# Altium PCB DRS4-PCB.PcbDoc (part 1 of 15) (continued)
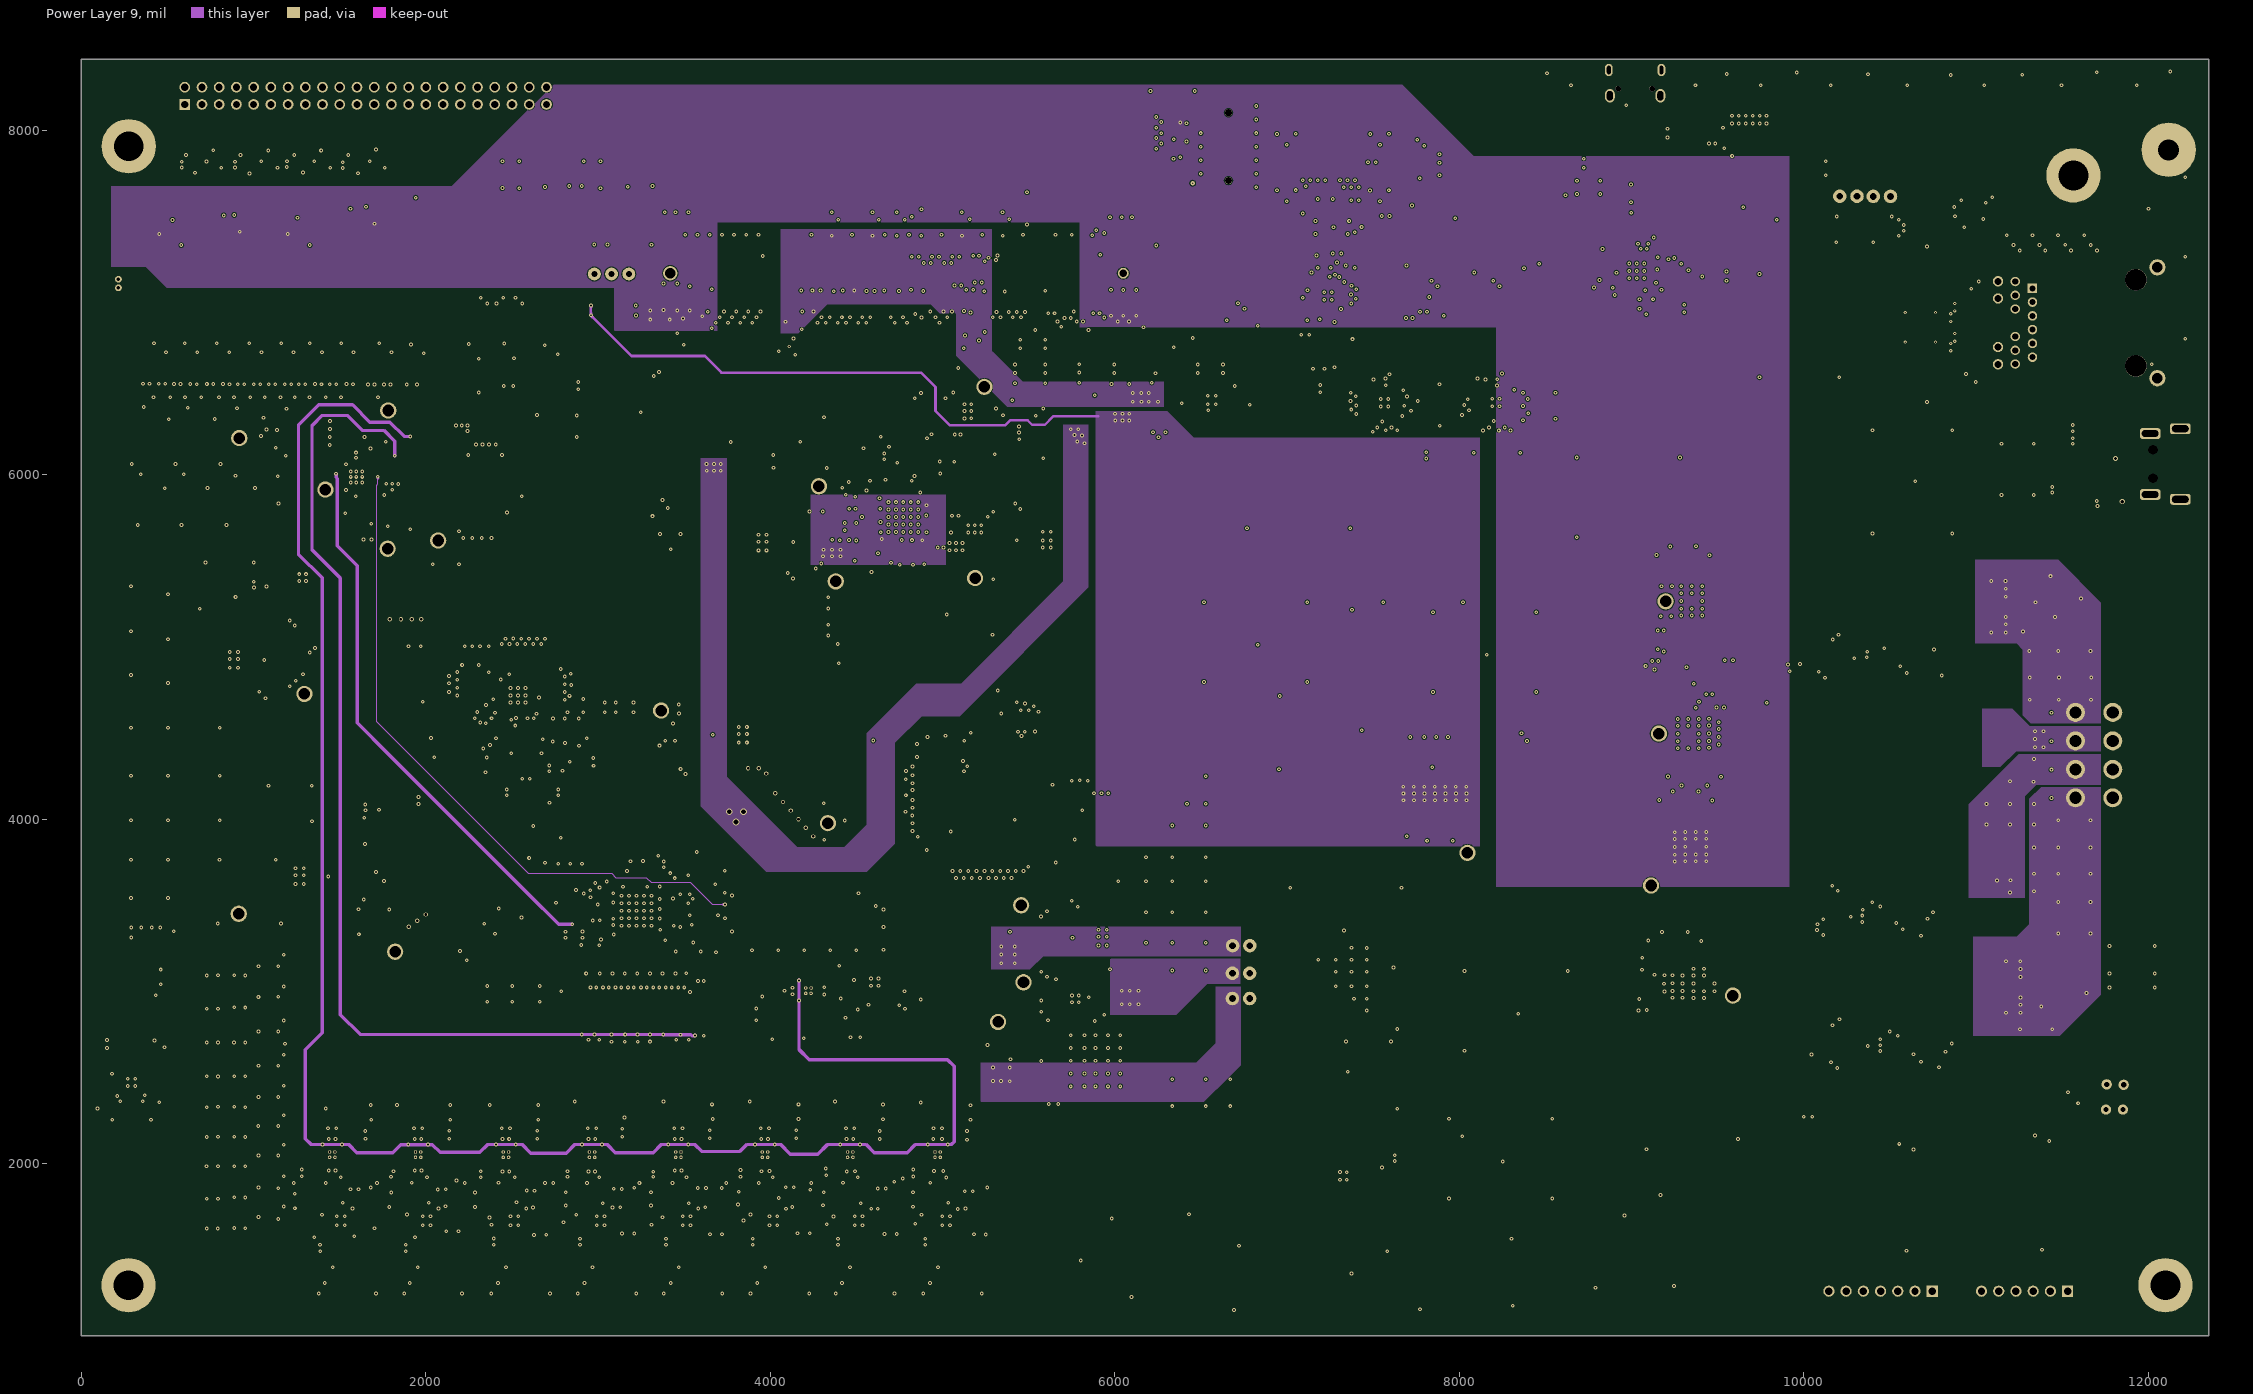
[diagram p9: Power Layer 9]
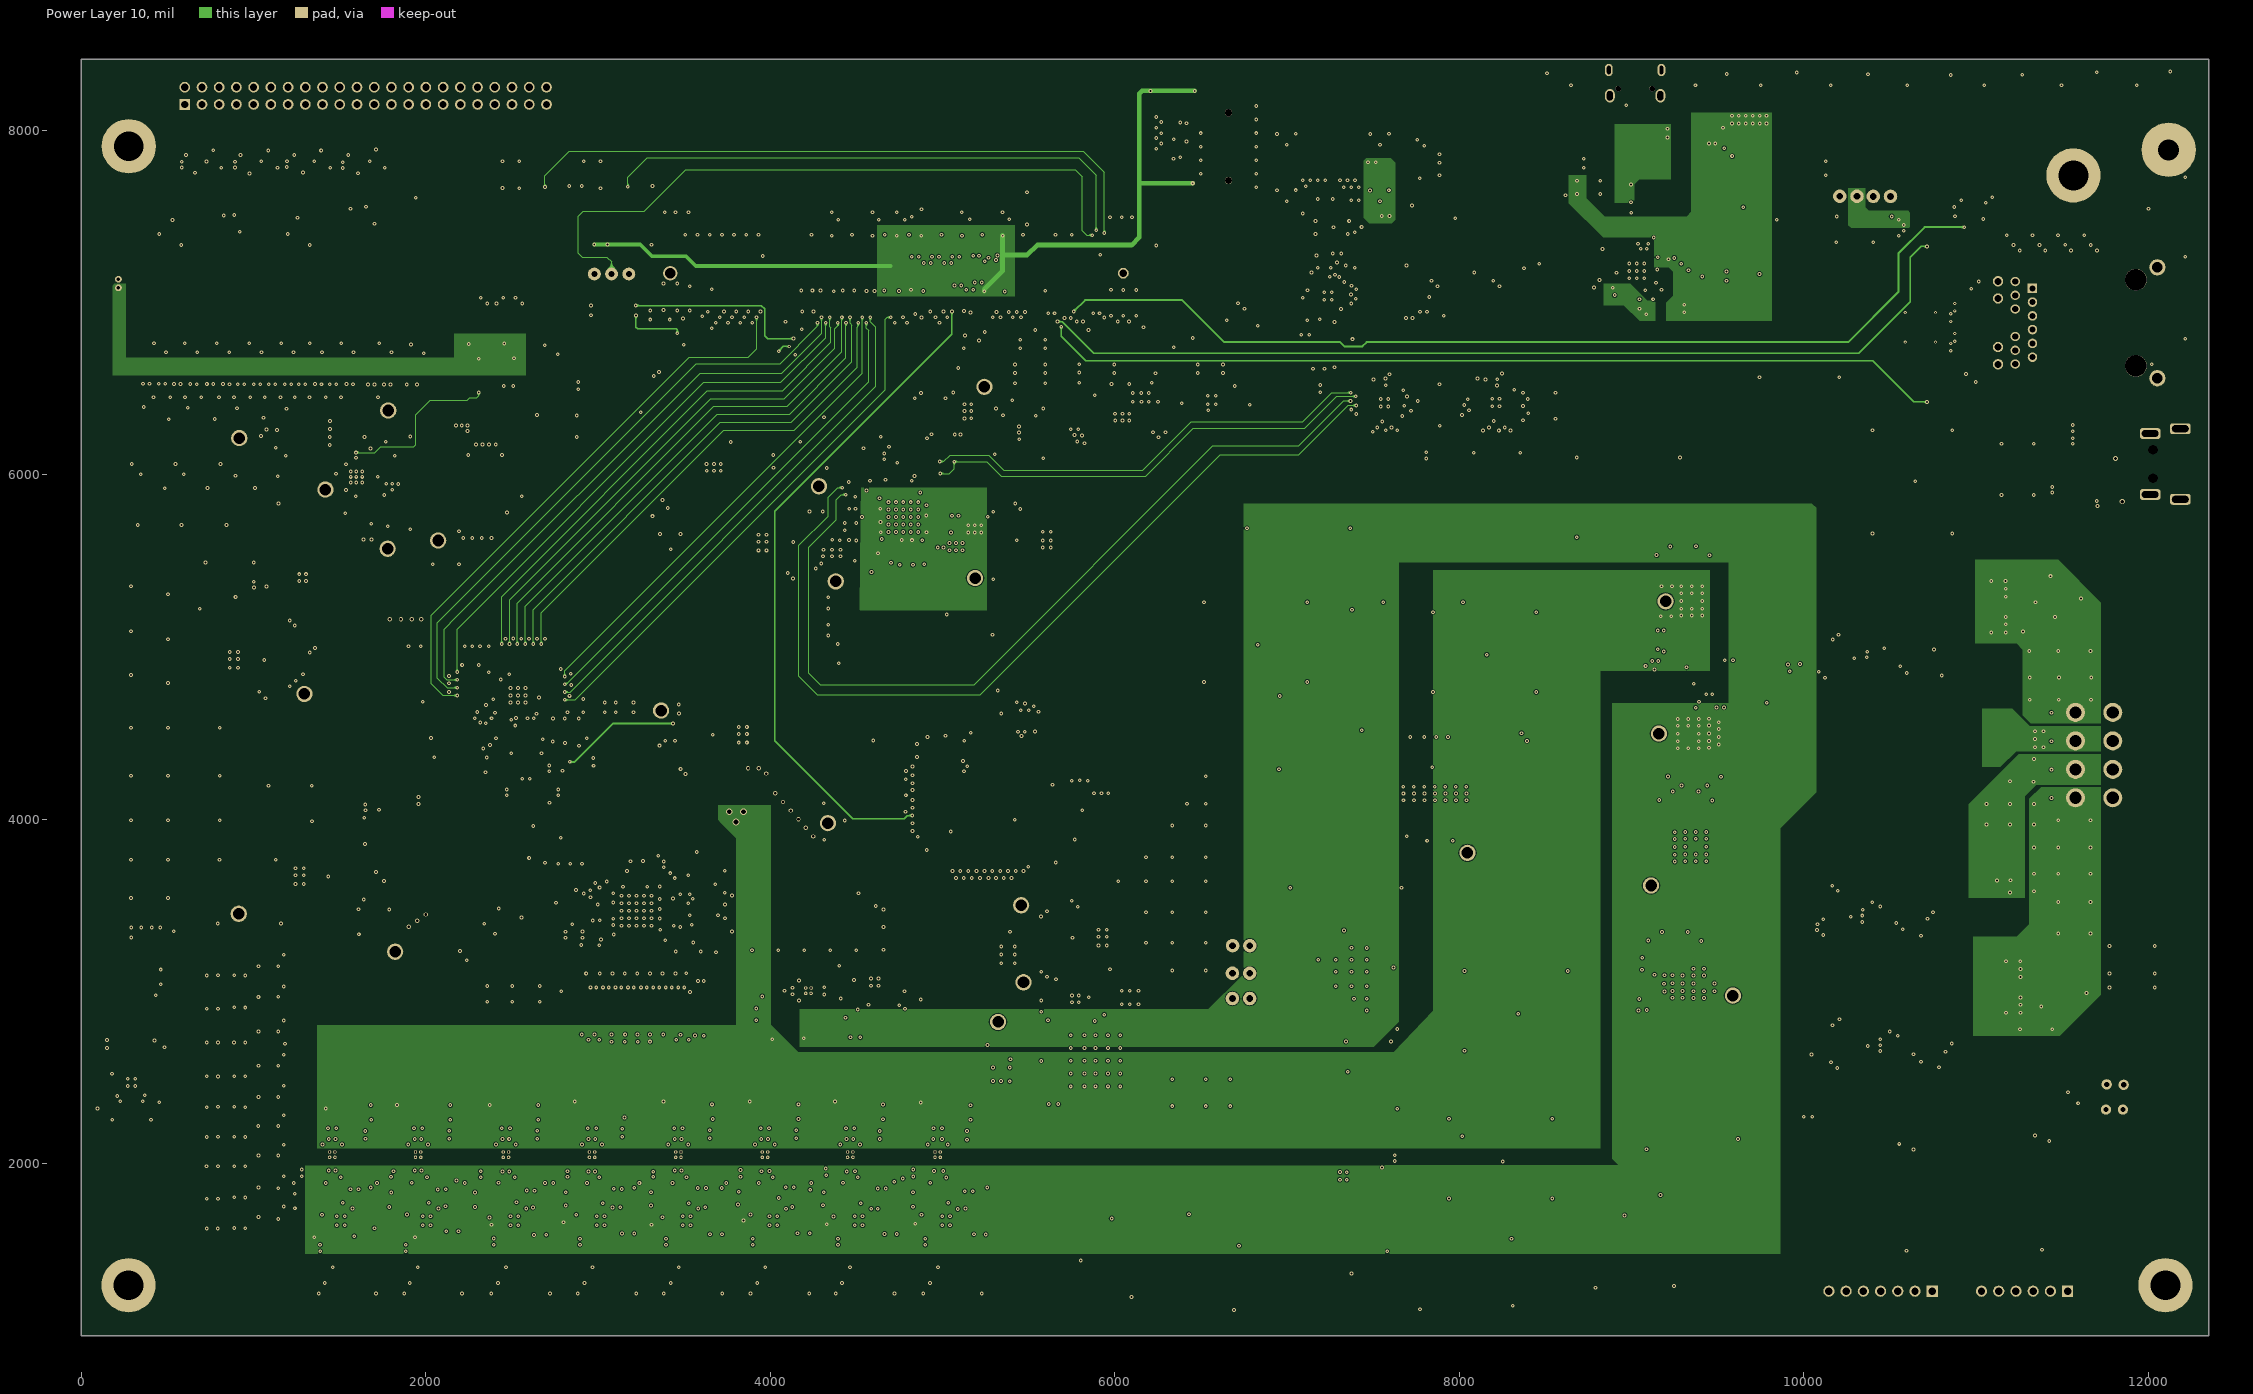
[diagram p10: Power Layer 10]
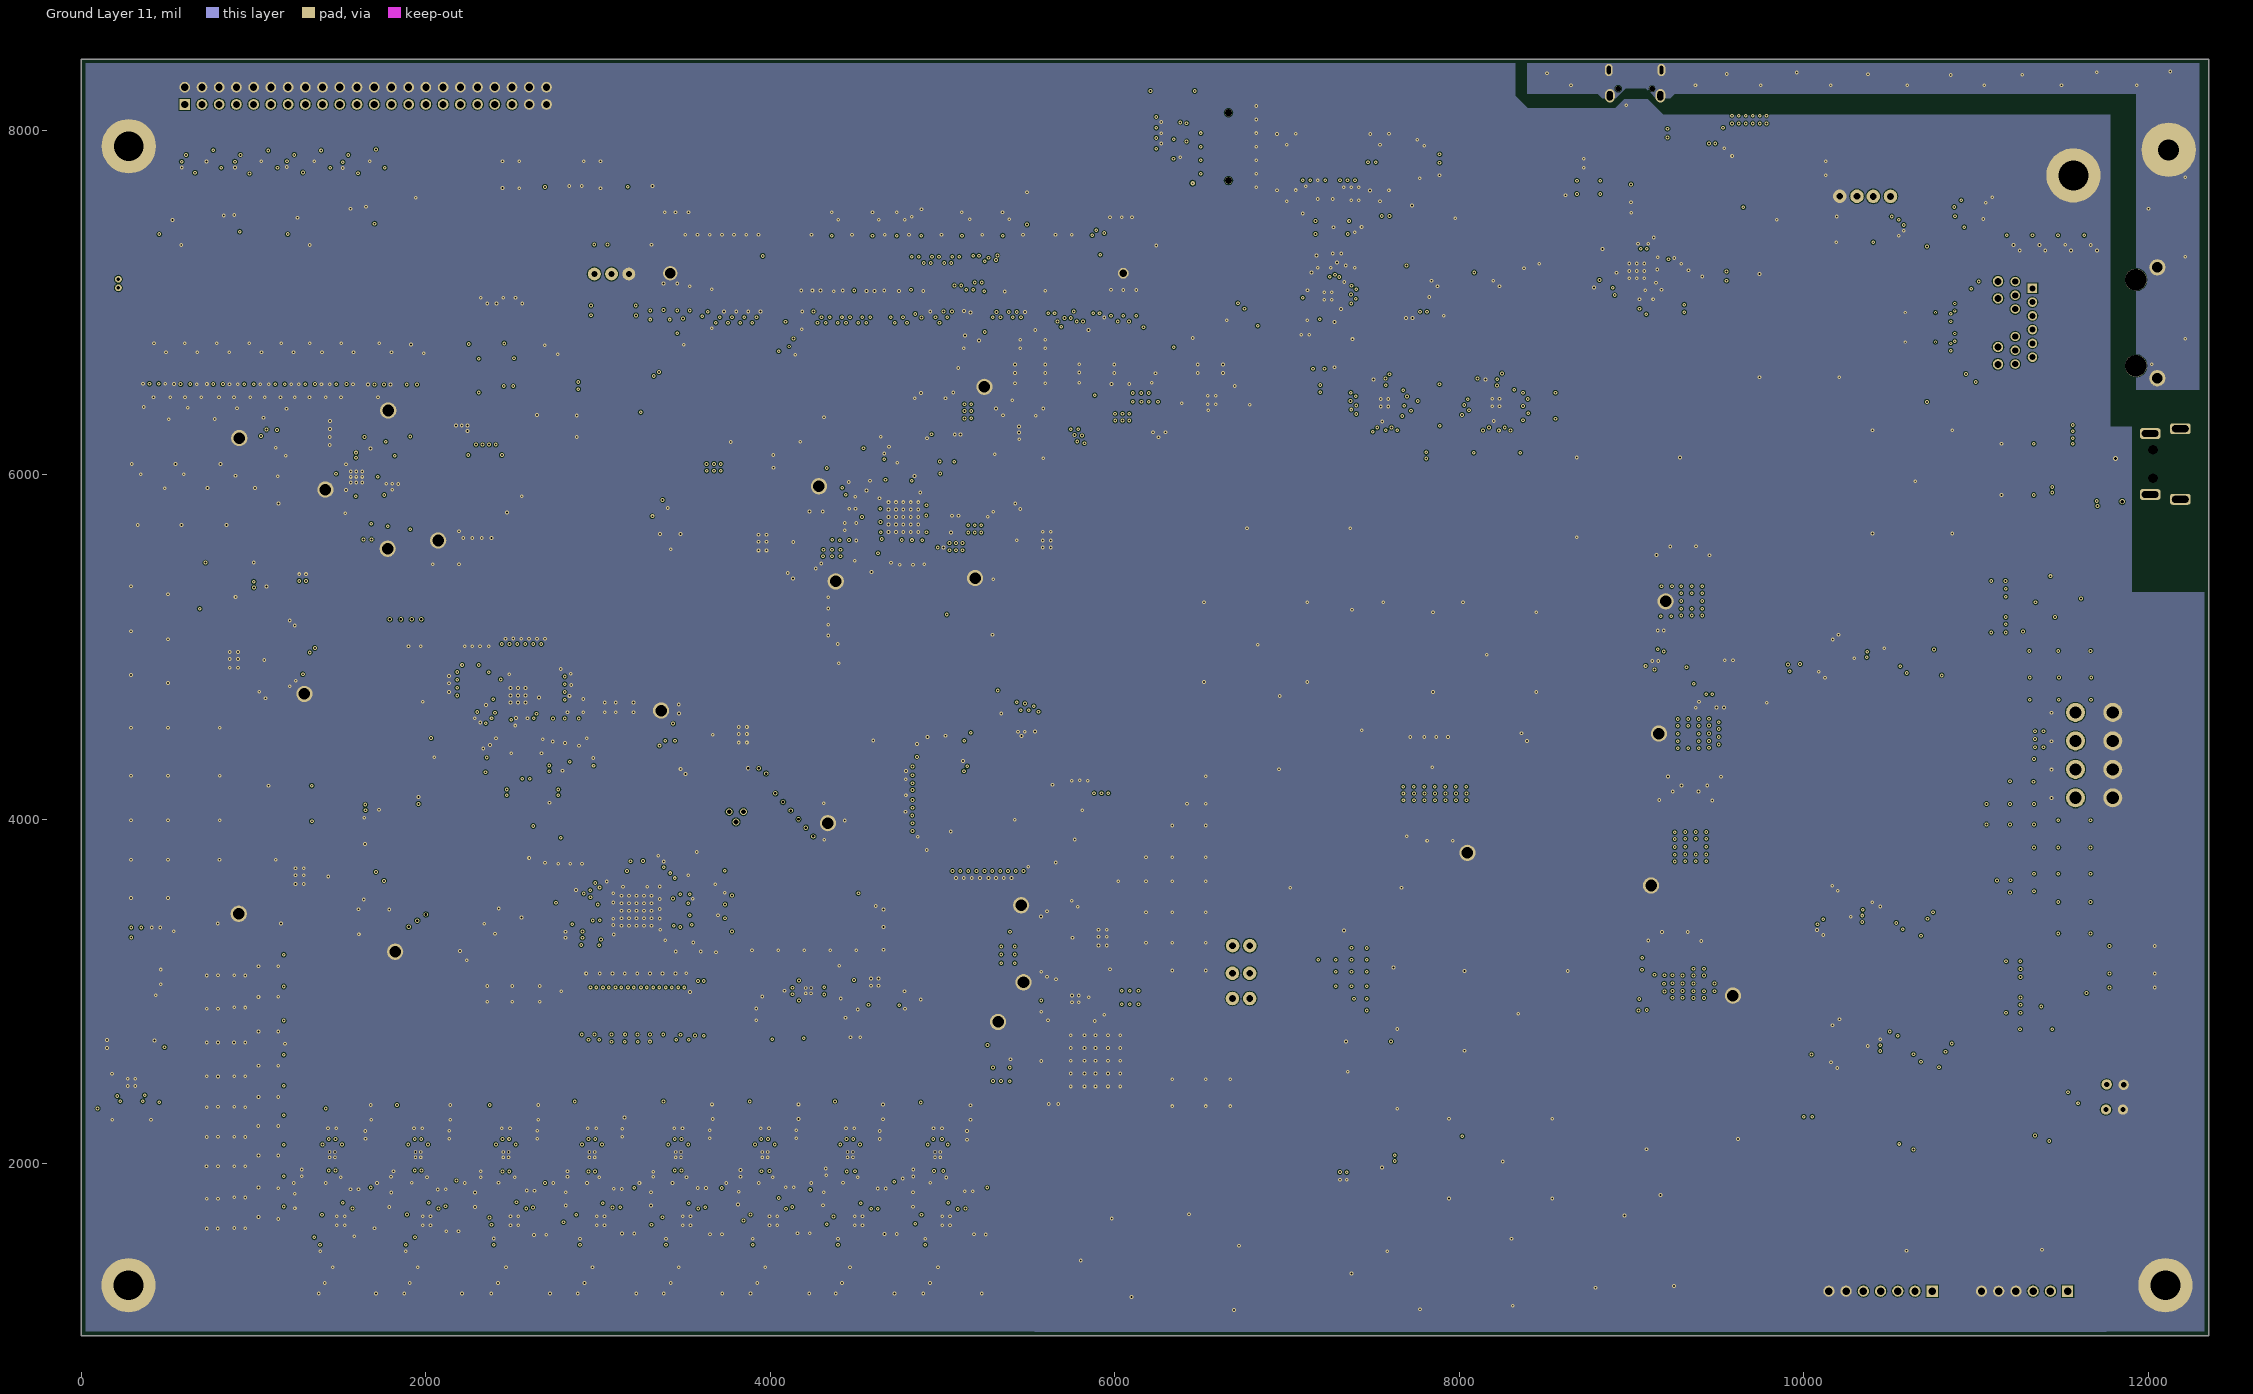
[diagram p11: Ground Layer 11]

## Layer stack, top to bottom
Top Solder: solder mask 0.8, SM-005, Dk 3.9
Top Layer: signal copper 1.6
Dielectric 1: prepreg 4.48, PP-024, Dk 3.23
Ground Layer 2: signal copper 1.2
Dielectric 2: core 4, Core-044, Dk 3.57
Signal Layer 3: signal copper 1.2
Dielectric 3: prepreg 4.36, PP-025, Dk 3.23
Signal Layer 4: signal copper 1.2
Dielectric 4: core 4, Core-044, Dk 3.57
Ground Layer 5: signal copper 1.2
Dielectric 5: prepreg 4.36, PP-025, Dk 3.23
Power Layer 6: signal copper 1.2
Dielectric 6: core 4, Core-044, Dk 3.57
Ground Layer 7: signal copper 1.2
Dielectric 7: prepreg 4.36, PP-025, Dk 3.23
Ground Layer 8: signal copper 1.2
Dielectric 8: core 4, Core-044, Dk 3.57
Power Layer 9: signal copper 1.2
Dielectric 9: prepreg 4.36, PP-025, Dk 3.23
Power Layer 10: signal copper 1.2
Dielectric 10: core 4, Core-044, Dk 3.57
Ground Layer 11: signal copper 1.2
Dielectric 11: prepreg 4.48, PP-024, Dk 3.23
Bottom Layer: signal copper 1.6
Bottom Solder: solder mask 0.8, SM-005, Dk 3.9

## Board outline
0,1000 12350,1000 12350,8411.06 0,8411.06

## Design rules (kind name [scope] priority, off if disabled: settings)
Clearance Clearance_No_net [((ObjectKind = 'Pad') And (Net = 'No Net')) Or (IsWire and (Net = 'No Net')) Or (IsVia and (Net = 'No Net')) vs IsWire and (Net = 'No Net')] p1: gap=5 ignorepadtopadclearanceinfootprint=FALSE except(0: Arc-Hole Track-Hole SMDPad-Hole THPad-Hole Via-Hole Fill-Hole Poly-Hole Region-Hole Text-Hole)
Clearance [All] p2: gap=5 ignorepadtopadclearanceinfootprint=FALSE except(0: Arc-Hole Track-Hole SMDPad-Hole THPad-Hole Via-Hole Fill-Hole Poly-Hole Region-Hole Text-Hole)
DiffPairsRouting "Schematic Differential Pairs Routing_15" [InNet('ETH_B_N')] p1: maxlimit=10 minlimit=5 mostfreqgap=10 toplayer_maxgap=5 toplayer_prefgap=5 toplayer_minwidth=5.08 toplayer_maxwidth=5.08 toplayer_prefwidth=5.08 midlayer2_maxgap=5 midlayer2_prefgap=5 midlayer2_minwidth=3.24 midlayer2_maxwidth=3.24 midlayer2_prefwidth=3.24 midlayer3_mingap=6.1 midlayer3_maxgap=6.1 midlayer3_prefgap=6.1 midlayer3_minwidth=3.66 midlayer3_maxwidth=3.66 midlayer3_prefwidth=3.66 bottomlayer_maxgap=5 bottomlayer_prefgap=5 bottomlayer_minwidth=6.73 bottomlayer_maxwidth=6.73 bottomlayer_prefwidth=6.73 impedanceprofiledriven=TRUE impedanceprofileid={3E0B95AD-4A6B-46CC-9FC0-AE22B2026B1E} impedanceprofilevalue=100.000000 maxuncoupledlength=500
DiffPairsRouting "Schematic Differential Pairs Routing_14" [InNet('ETH_D_P')] p2: maxlimit=10 minlimit=5 mostfreqgap=10 toplayer_maxgap=5 toplayer_prefgap=5 toplayer_minwidth=5.08 toplayer_maxwidth=5.08 toplayer_prefwidth=5.08 midlayer2_maxgap=5 midlayer2_prefgap=5 midlayer2_minwidth=3.24 midlayer2_maxwidth=3.24 midlayer2_prefwidth=3.24 midlayer3_mingap=6.1 midlayer3_maxgap=6.1 midlayer3_prefgap=6.1 midlayer3_minwidth=3.66 midlayer3_maxwidth=3.66 midlayer3_prefwidth=3.66 bottomlayer_maxgap=5 bottomlayer_prefgap=5 bottomlayer_minwidth=6.73 bottomlayer_maxwidth=6.73 bottomlayer_prefwidth=6.73 impedanceprofiledriven=TRUE impedanceprofileid={3E0B95AD-4A6B-46CC-9FC0-AE22B2026B1E} impedanceprofilevalue=100.000000 maxuncoupledlength=500
DiffPairsRouting "Schematic Differential Pairs Routing_13" [InNet('IO_B35_L5_N')] p3: maxlimit=10 minlimit=5 mostfreqgap=10 toplayer_maxgap=5 toplayer_prefgap=5 toplayer_minwidth=5.08 toplayer_maxwidth=5.08 toplayer_prefwidth=5.08 midlayer2_maxgap=5 midlayer2_prefgap=5 midlayer2_minwidth=3.24 midlayer2_maxwidth=3.24 midlayer2_prefwidth=3.24 midlayer3_mingap=6.1 midlayer3_maxgap=6.1 midlayer3_prefgap=6.1 midlayer3_minwidth=3.66 midlayer3_maxwidth=3.66 midlayer3_prefwidth=3.66 bottomlayer_maxgap=5 bottomlayer_prefgap=5 bottomlayer_minwidth=6.73 bottomlayer_maxwidth=6.73 bottomlayer_prefwidth=6.73 impedanceprofiledriven=TRUE impedanceprofileid={3E0B95AD-4A6B-46CC-9FC0-AE22B2026B1E} impedanceprofilevalue=100.000000 maxuncoupledlength=500
DiffPairsRouting "Schematic Differential Pairs Routing_12" [InNet('ETH_C_P')] p4: maxlimit=10 minlimit=5 mostfreqgap=10 toplayer_maxgap=5 toplayer_prefgap=5 toplayer_minwidth=5.08 toplayer_maxwidth=5.08 toplayer_prefwidth=5.08 midlayer2_maxgap=5 midlayer2_prefgap=5 midlayer2_minwidth=3.24 midlayer2_maxwidth=3.24 midlayer2_prefwidth=3.24 midlayer3_mingap=6.1 midlayer3_maxgap=6.1 midlayer3_prefgap=6.1 midlayer3_minwidth=3.66 midlayer3_maxwidth=3.66 midlayer3_prefwidth=3.66 bottomlayer_maxgap=5 bottomlayer_prefgap=5 bottomlayer_minwidth=6.73 bottomlayer_maxwidth=6.73 bottomlayer_prefwidth=6.73 impedanceprofiledriven=TRUE impedanceprofileid={3E0B95AD-4A6B-46CC-9FC0-AE22B2026B1E} impedanceprofilevalue=100.000000 maxuncoupledlength=500
DiffPairsRouting "Schematic Differential Pairs Routing_11" [InNet('IO_B35_L3_N')] p5: maxlimit=10 minlimit=5 mostfreqgap=10 toplayer_maxgap=5 toplayer_prefgap=5 toplayer_minwidth=5.08 toplayer_maxwidth=5.08 toplayer_prefwidth=5.08 midlayer2_maxgap=5 midlayer2_prefgap=5 midlayer2_minwidth=3.24 midlayer2_maxwidth=3.24 midlayer2_prefwidth=3.24 midlayer3_mingap=6.1 midlayer3_maxgap=6.1 midlayer3_prefgap=6.1 midlayer3_minwidth=3.66 midlayer3_maxwidth=3.66 midlayer3_prefwidth=3.66 bottomlayer_maxgap=5 bottomlayer_prefgap=5 bottomlayer_minwidth=6.73 bottomlayer_maxwidth=6.73 bottomlayer_prefwidth=6.73 impedanceprofiledriven=TRUE impedanceprofileid={3E0B95AD-4A6B-46CC-9FC0-AE22B2026B1E} impedanceprofilevalue=100.000000 maxuncoupledlength=500
DiffPairsRouting "Schematic Differential Pairs Routing_10" [InNet('ETH_C_N')] p6: maxlimit=10 minlimit=5 mostfreqgap=10 toplayer_maxgap=5 toplayer_prefgap=5 toplayer_minwidth=5.08 toplayer_maxwidth=5.08 toplayer_prefwidth=5.08 midlayer2_maxgap=5 midlayer2_prefgap=5 midlayer2_minwidth=3.24 midlayer2_maxwidth=3.24 midlayer2_prefwidth=3.24 midlayer3_mingap=6.1 midlayer3_maxgap=6.1 midlayer3_prefgap=6.1 midlayer3_minwidth=3.66 midlayer3_maxwidth=3.66 midlayer3_prefwidth=3.66 bottomlayer_maxgap=5 bottomlayer_prefgap=5 bottomlayer_minwidth=6.73 bottomlayer_maxwidth=6.73 bottomlayer_prefwidth=6.73 impedanceprofiledriven=TRUE impedanceprofileid={3E0B95AD-4A6B-46CC-9FC0-AE22B2026B1E} impedanceprofilevalue=100.000000 maxuncoupledlength=500
DiffPairsRouting "Schematic Differential Pairs Routing_9" [InNet('IO_B35_L3_P')] p7: maxlimit=10 minlimit=5 mostfreqgap=10 toplayer_maxgap=5 toplayer_prefgap=5 toplayer_minwidth=5.08 toplayer_maxwidth=5.08 toplayer_prefwidth=5.08 midlayer2_maxgap=5 midlayer2_prefgap=5 midlayer2_minwidth=3.24 midlayer2_maxwidth=3.24 midlayer2_prefwidth=3.24 midlayer3_mingap=6.1 midlayer3_maxgap=6.1 midlayer3_prefgap=6.1 midlayer3_minwidth=3.66 midlayer3_maxwidth=3.66 midlayer3_prefwidth=3.66 bottomlayer_maxgap=5 bottomlayer_prefgap=5 bottomlayer_minwidth=6.73 bottomlayer_maxwidth=6.73 bottomlayer_prefwidth=6.73 impedanceprofiledriven=TRUE impedanceprofileid={3E0B95AD-4A6B-46CC-9FC0-AE22B2026B1E} impedanceprofilevalue=100.000000 maxuncoupledlength=500
DiffPairsRouting "Schematic Differential Pairs Routing_8" [InNet('ETH_A_P')] p8: maxlimit=10 minlimit=5 mostfreqgap=10 toplayer_maxgap=5 toplayer_prefgap=5 toplayer_minwidth=5.08 toplayer_maxwidth=5.08 toplayer_prefwidth=5.08 midlayer2_maxgap=5 midlayer2_prefgap=5 midlayer2_minwidth=3.24 midlayer2_maxwidth=3.24 midlayer2_prefwidth=3.24 midlayer3_mingap=6.1 midlayer3_maxgap=6.1 midlayer3_prefgap=6.1 midlayer3_minwidth=3.66 midlayer3_maxwidth=3.66 midlayer3_prefwidth=3.66 bottomlayer_maxgap=5 bottomlayer_prefgap=5 bottomlayer_minwidth=6.73 bottomlayer_maxwidth=6.73 bottomlayer_prefwidth=6.73 impedanceprofiledriven=TRUE impedanceprofileid={3E0B95AD-4A6B-46CC-9FC0-AE22B2026B1E} impedanceprofilevalue=100.000000 maxuncoupledlength=500
DiffPairsRouting "Schematic Differential Pairs Routing_7" [InNet('IO_B35_L6_P')] p9: maxlimit=10 minlimit=5 mostfreqgap=10 toplayer_maxgap=5 toplayer_prefgap=5 toplayer_minwidth=5.08 toplayer_maxwidth=5.08 toplayer_prefwidth=5.08 midlayer2_maxgap=5 midlayer2_prefgap=5 midlayer2_minwidth=3.24 midlayer2_maxwidth=3.24 midlayer2_prefwidth=3.24 midlayer3_mingap=6.1 midlayer3_maxgap=6.1 midlayer3_prefgap=6.1 midlayer3_minwidth=3.66 midlayer3_maxwidth=3.66 midlayer3_prefwidth=3.66 bottomlayer_maxgap=5 bottomlayer_prefgap=5 bottomlayer_minwidth=6.73 bottomlayer_maxwidth=6.73 bottomlayer_prefwidth=6.73 impedanceprofiledriven=TRUE impedanceprofileid={3E0B95AD-4A6B-46CC-9FC0-AE22B2026B1E} impedanceprofilevalue=100.000000 maxuncoupledlength=500
DiffPairsRouting "Schematic Differential Pairs Routing_6" [InNet('ETH_A_N')] p10: maxlimit=10 minlimit=5 mostfreqgap=10 toplayer_maxgap=5 toplayer_prefgap=5 toplayer_minwidth=5.08 toplayer_maxwidth=5.08 toplayer_prefwidth=5.08 midlayer2_maxgap=5 midlayer2_prefgap=5 midlayer2_minwidth=3.24 midlayer2_maxwidth=3.24 midlayer2_prefwidth=3.24 midlayer3_mingap=6.1 midlayer3_maxgap=6.1 midlayer3_prefgap=6.1 midlayer3_minwidth=3.66 midlayer3_maxwidth=3.66 midlayer3_prefwidth=3.66 bottomlayer_maxgap=5 bottomlayer_prefgap=5 bottomlayer_minwidth=6.73 bottomlayer_maxwidth=6.73 bottomlayer_prefwidth=6.73 impedanceprofiledriven=TRUE impedanceprofileid={3E0B95AD-4A6B-46CC-9FC0-AE22B2026B1E} impedanceprofilevalue=100.000000 maxuncoupledlength=500
DiffPairsRouting "Schematic Differential Pairs Routing_5" [InNet('IO_B35_L6_N')] p11: maxlimit=10 minlimit=5 mostfreqgap=10 toplayer_maxgap=5 toplayer_prefgap=5 toplayer_minwidth=5.08 toplayer_maxwidth=5.08 toplayer_prefwidth=5.08 midlayer2_maxgap=5 midlayer2_prefgap=5 midlayer2_minwidth=3.24 midlayer2_maxwidth=3.24 midlayer2_prefwidth=3.24 midlayer3_mingap=6.1 midlayer3_maxgap=6.1 midlayer3_prefgap=6.1 midlayer3_minwidth=3.66 midlayer3_maxwidth=3.66 midlayer3_prefwidth=3.66 bottomlayer_maxgap=5 bottomlayer_prefgap=5 bottomlayer_minwidth=6.73 bottomlayer_maxwidth=6.73 bottomlayer_prefwidth=6.73 impedanceprofiledriven=TRUE impedanceprofileid={3E0B95AD-4A6B-46CC-9FC0-AE22B2026B1E} impedanceprofilevalue=100.000000 maxuncoupledlength=500
DiffPairsRouting "Schematic Differential Pairs Routing_4" [InNet('ETH_B_P')] p12: maxlimit=10 minlimit=5 mostfreqgap=10 toplayer_maxgap=5 toplayer_prefgap=5 toplayer_minwidth=5.08 toplayer_maxwidth=5.08 toplayer_prefwidth=5.08 midlayer2_maxgap=5 midlayer2_prefgap=5 midlayer2_minwidth=3.24 midlayer2_maxwidth=3.24 midlayer2_prefwidth=3.24 midlayer3_mingap=6.1 midlayer3_maxgap=6.1 midlayer3_prefgap=6.1 midlayer3_minwidth=3.66 midlayer3_maxwidth=3.66 midlayer3_prefwidth=3.66 bottomlayer_maxgap=5 bottomlayer_prefgap=5 bottomlayer_minwidth=6.73 bottomlayer_maxwidth=6.73 bottomlayer_prefwidth=6.73 impedanceprofiledriven=TRUE impedanceprofileid={3E0B95AD-4A6B-46CC-9FC0-AE22B2026B1E} impedanceprofilevalue=100.000000 maxuncoupledlength=500
DiffPairsRouting "Schematic Differential Pairs Routing_3" [InNet('IO_B35_L5_P')] p13: maxlimit=10 minlimit=5 mostfreqgap=10 toplayer_maxgap=5 toplayer_prefgap=5 toplayer_minwidth=5.08 toplayer_maxwidth=5.08 toplayer_prefwidth=5.08 midlayer2_maxgap=5 midlayer2_prefgap=5 midlayer2_minwidth=3.24 midlayer2_maxwidth=3.24 midlayer2_prefwidth=3.24 midlayer3_mingap=6.1 midlayer3_maxgap=6.1 midlayer3_prefgap=6.1 midlayer3_minwidth=3.66 midlayer3_maxwidth=3.66 midlayer3_prefwidth=3.66 bottomlayer_maxgap=5 bottomlayer_prefgap=5 bottomlayer_minwidth=6.73 bottomlayer_maxwidth=6.73 bottomlayer_prefwidth=6.73 impedanceprofiledriven=TRUE impedanceprofileid={3E0B95AD-4A6B-46CC-9FC0-AE22B2026B1E} impedanceprofilevalue=100.000000 maxuncoupledlength=500
DiffPairsRouting "Schematic Differential Pairs Routing_2" [InNet('ETH_D_N')] p14: maxlimit=10 minlimit=5 mostfreqgap=10 toplayer_maxgap=5 toplayer_prefgap=5 toplayer_minwidth=5.08 toplayer_maxwidth=5.08 toplayer_prefwidth=5.08 midlayer2_maxgap=5 midlayer2_prefgap=5 midlayer2_minwidth=3.24 midlayer2_maxwidth=3.24 midlayer2_prefwidth=3.24 midlayer3_mingap=6.1 midlayer3_maxgap=6.1 midlayer3_prefgap=6.1 midlayer3_minwidth=3.66 midlayer3_maxwidth=3.66 midlayer3_prefwidth=3.66 bottomlayer_maxgap=5 bottomlayer_prefgap=5 bottomlayer_minwidth=6.73 bottomlayer_maxwidth=6.73 bottomlayer_prefwidth=6.73 impedanceprofiledriven=TRUE impedanceprofileid={3E0B95AD-4A6B-46CC-9FC0-AE22B2026B1E} impedanceprofilevalue=100.000000 maxuncoupledlength=500
DiffPairsRouting "Schematic Differential Pairs Routing_1" [InNet('MCLK_P')] p15: maxlimit=10 minlimit=5 mostfreqgap=10 toplayer_maxgap=5 toplayer_prefgap=5 toplayer_minwidth=5.08 toplayer_maxwidth=5.08 toplayer_prefwidth=5.08 midlayer2_maxgap=5 midlayer2_prefgap=5 midlayer2_minwidth=3.24 midlayer2_maxwidth=3.24 midlayer2_prefwidth=3.24 midlayer3_mingap=6.1 midlayer3_maxgap=6.1 midlayer3_prefgap=6.1 midlayer3_minwidth=3.66 midlayer3_maxwidth=3.66 midlayer3_prefwidth=3.66 bottomlayer_maxgap=5 bottomlayer_prefgap=5 bottomlayer_minwidth=6.73 bottomlayer_maxwidth=6.73 bottomlayer_prefwidth=6.73 impedanceprofiledriven=TRUE impedanceprofileid={3E0B95AD-4A6B-46CC-9FC0-AE22B2026B1E} impedanceprofilevalue=100.000000 maxuncoupledlength=500
DiffPairsRouting "Schematic Differential Pairs Routing" [InNet('MCLK_N')] p16: maxlimit=10 minlimit=5 mostfreqgap=10 toplayer_maxgap=5 toplayer_prefgap=5 toplayer_minwidth=5.08 toplayer_maxwidth=5.08 toplayer_prefwidth=5.08 midlayer2_maxgap=5 midlayer2_prefgap=5 midlayer2_minwidth=3.24 midlayer2_maxwidth=3.24 midlayer2_prefwidth=3.24 midlayer3_mingap=6.1 midlayer3_maxgap=6.1 midlayer3_prefgap=6.1 midlayer3_minwidth=3.66 midlayer3_maxwidth=3.66 midlayer3_prefwidth=3.66 bottomlayer_maxgap=5 bottomlayer_prefgap=5 bottomlayer_minwidth=6.73 bottomlayer_maxwidth=6.73 bottomlayer_prefwidth=6.73 impedanceprofiledriven=TRUE impedanceprofileid={3E0B95AD-4A6B-46CC-9FC0-AE22B2026B1E} impedanceprofilevalue=100.000000 maxuncoupledlength=500
DiffPairsRouting DiffPairsRouting_D100 [InDifferentialPairClass('D100')] p17: maxlimit=10 minlimit=5 mostfreqgap=10 toplayer_prefgap=5 toplayer_minwidth=4.58 toplayer_maxwidth=5.58 toplayer_prefwidth=5.08 midlayer2_prefgap=5 midlayer2_minwidth=2.92 midlayer2_maxwidth=3.57 midlayer2_prefwidth=3.24 midlayer3_mingap=6.1 midlayer3_prefgap=6.1 midlayer3_minwidth=3.29 midlayer3_maxwidth=4.03 midlayer3_prefwidth=3.66 bottomlayer_prefgap=5 bottomlayer_minwidth=6.06 bottomlayer_maxwidth=7.41 bottomlayer_prefwidth=6.73 impedanceprofiledriven=TRUE impedanceprofileid={3E0B95AD-4A6B-46CC-9FC0-AE22B2026B1E} impedanceprofilevalue=100.000000 maxuncoupledlength=500 // 100 Ohm impedance
DiffPairsRouting DiffPairsRouting_D90 [InDifferentialPairClass('D90')] p18: maxlimit=10 minlimit=5 mostfreqgap=10 toplayer_prefgap=5 toplayer_minwidth=5.08 toplayer_maxwidth=15 toplayer_prefwidth=6.75 midlayer2_prefgap=5 midlayer2_minwidth=3.24 midlayer2_maxwidth=15 midlayer2_prefwidth=3.65 midlayer3_prefgap=5 midlayer3_minwidth=3.65 midlayer3_maxwidth=15 midlayer3_prefwidth=3.65 bottomlayer_prefgap=5 bottomlayer_minwidth=6.73 bottomlayer_maxwidth=15 bottomlayer_prefwidth=6.75 impedanceprofiledriven=TRUE impedanceprofileid={553B5D03-7D14-4B2F-AD8E-2760CC6977B5} impedanceprofilevalue=90.000000 maxuncoupledlength=500